# Allegro board TubiiPCB_V6.brd (continued)
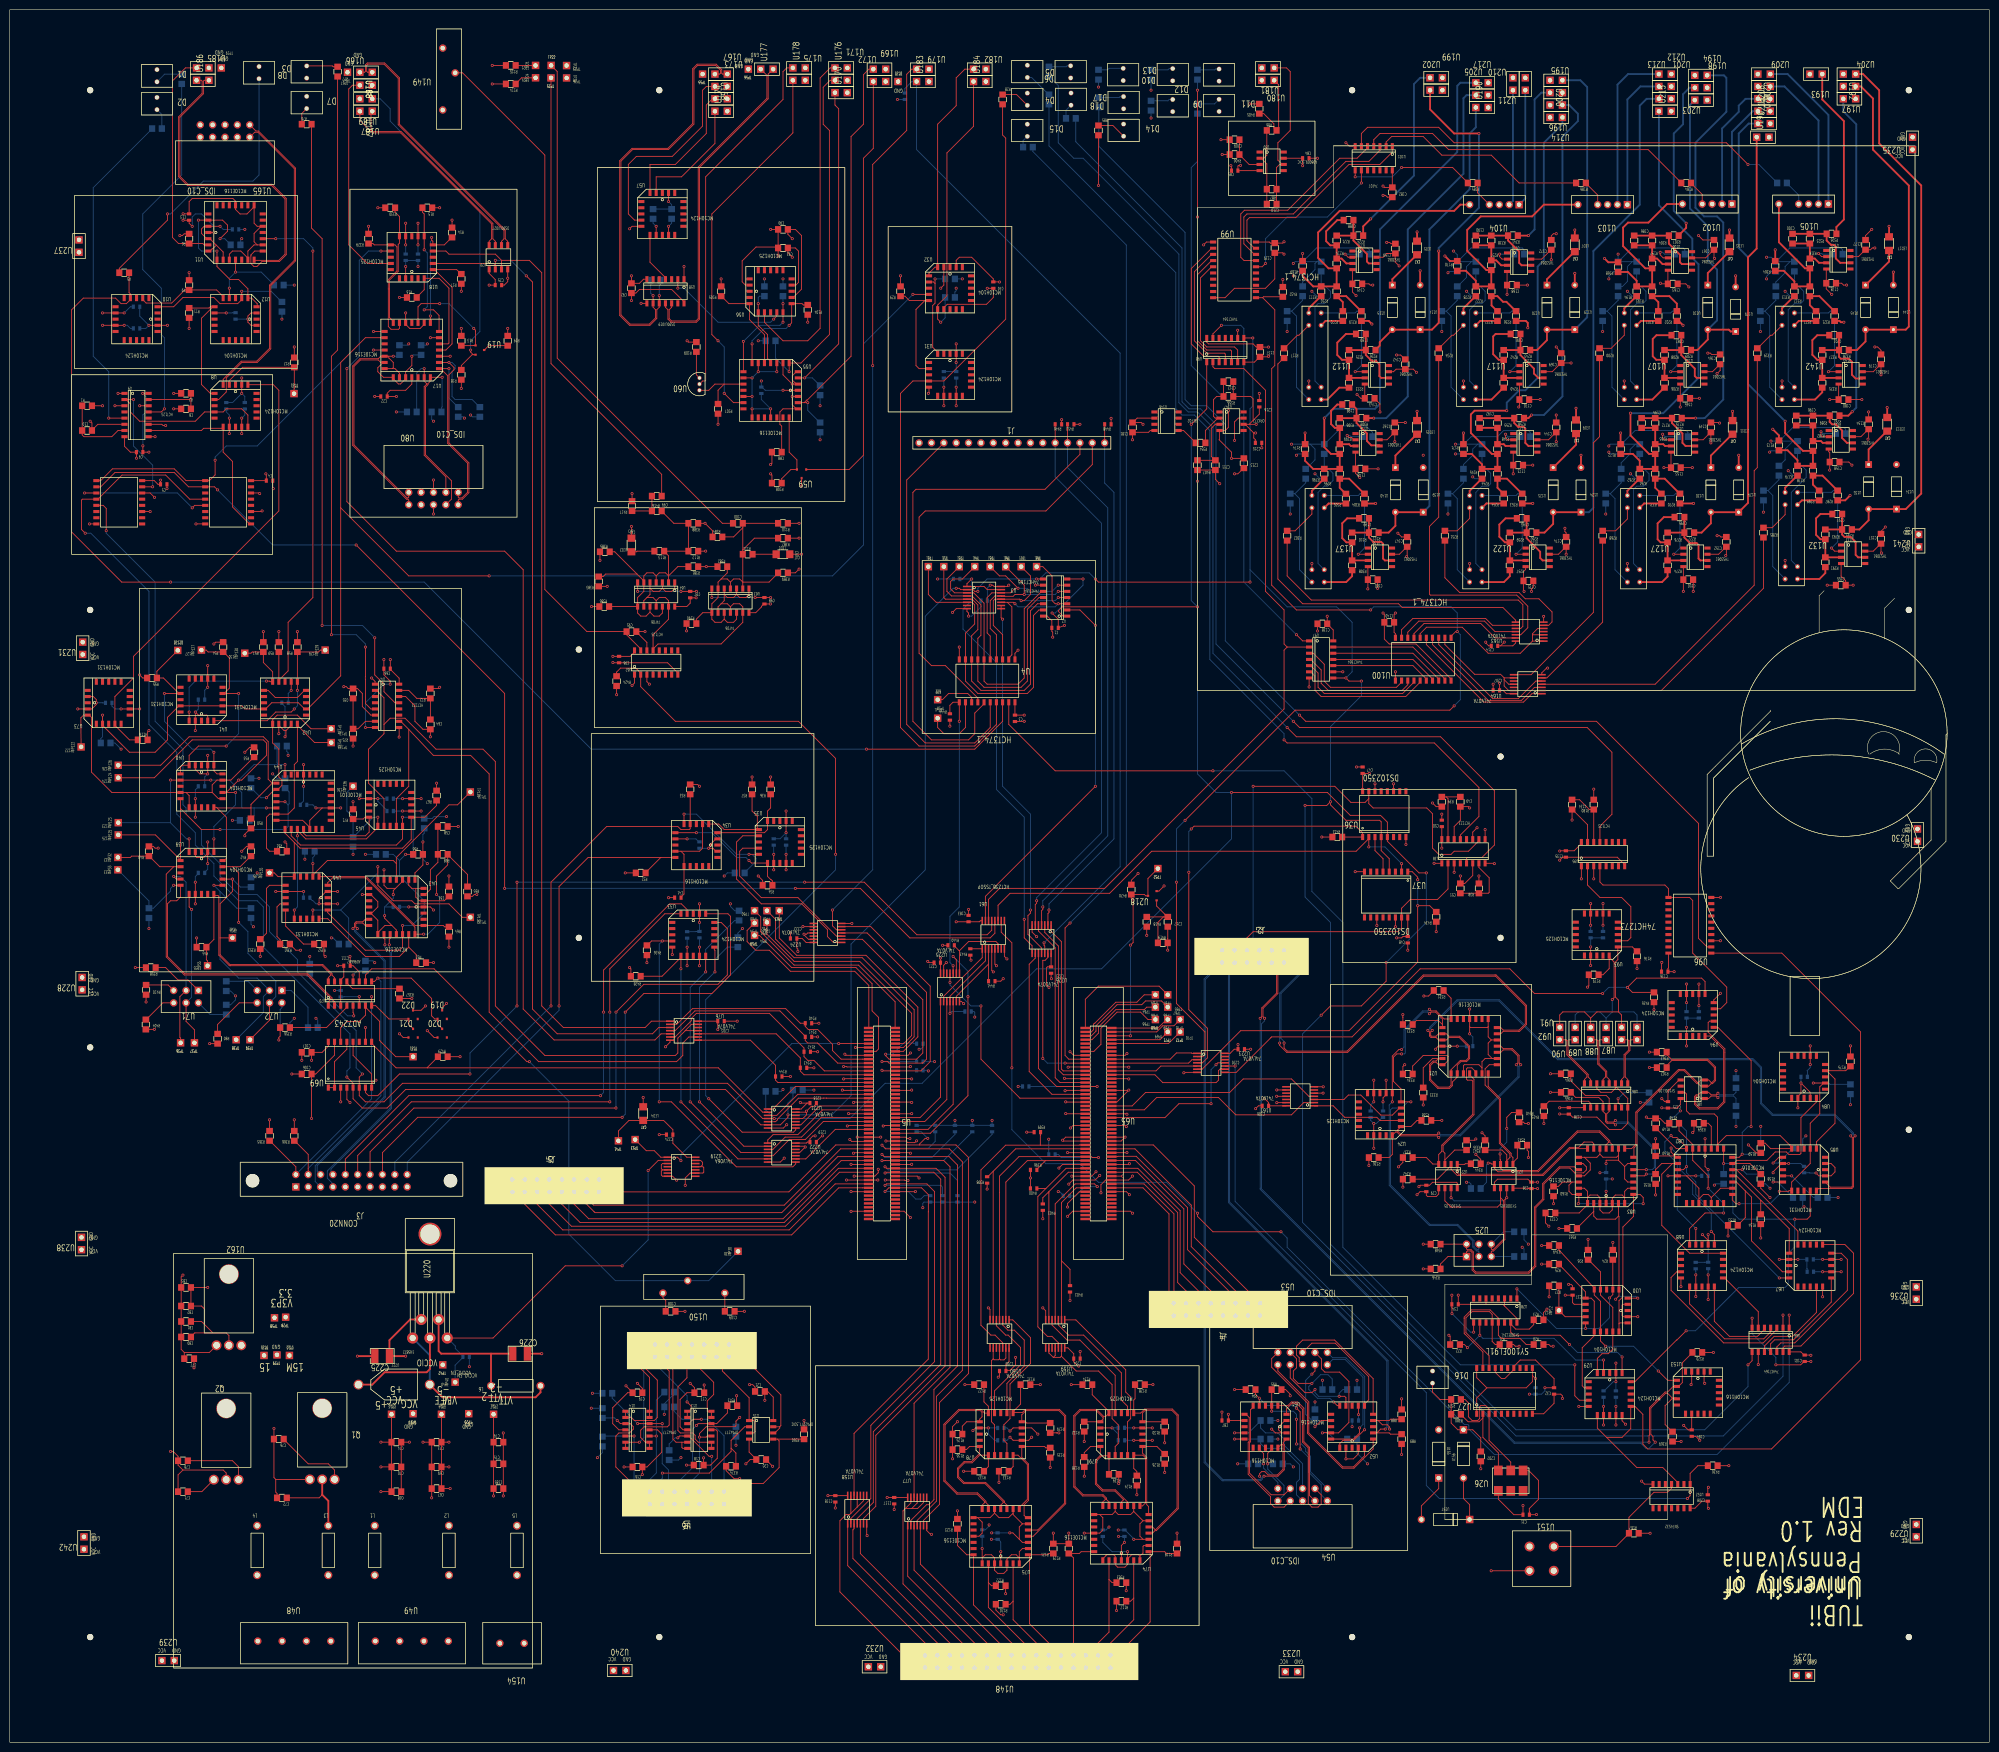
[diagram p0: board, top side]
## Routing (per net, layer and track width the routed paths; a pad name or vN(x,y) marks a point on that pad's centre or on a via; arc(x,y) is an arc through that point) (continued)
184.52,138.29 ; v1(184.91,138.68) 185.31,139.08 ; v1(184.91,138.68) 185.31,138.29 ; 125.73,56.11 v1(126.12,56.5) ; v1(126.12,56.5) 126.51,56.11 ; v1(126.12,56.5) 125.73,56.9 ; v1(126.12,56.5) 126.51,56.9 ; 162.93,121.78 v1(163.32,122.17) ; v1(163.32,122.17) 163.72,121.78 ; v1(163.32,122.17) 162.93,122.57 ; v1(163.32,122.17) 163.72,122.57 ; v1(368.38,109.9) 368.77,109.51 ; v1(368.38,109.9) 367.98,110.3 ; v1(368.38,109.9) 367.98,109.51 ; v1(368.38,109.9) 368.77,110.3 ; 171.28,344.34 U176.2 ; U176.2 172.63,344.34 ; U176.2 172.63,342.99 ; U176.2 171.28,342.99 ; U109.2 355,298.03 ; U109.2 353.66,298.03 ; U109.2 355,299.38 ; U109.2 353.66,299.38 ; 289.8,264.55 v1(290.19,264.16) ; v1(290.19,264.16) 289.8,263.77 ; v1(290.19,264.16) 290.59,264.55 ; v1(290.19,264.16) 290.59,263.77 ; 382.51,286.78 v1(382.9,286.38) ; v1(382.9,286.38) 383.3,286.78 ; v1(382.9,286.38) 382.51,285.99 ; v1(382.9,286.38) 383.3,285.99 ; v1(268.48,325.12) 268.87,324.73 ; v1(268.48,325.12) 268.08,325.51 ; v1(268.48,325.12) 268.87,325.51 ; v1(268.48,325.12) 268.08,324.73 ; U213.2 341.8,341.72 ; U213.2 340.45,343.07 ; U213.2 341.8,343.07 ; U213.2 340.45,341.72 ; 155.82,262.65 v1(156.21,262.25) ; v1(156.21,262.25) 156.6,262.65 ; v1(156.21,262.25) 155.82,261.86 ; v1(156.21,262.25) 156.6,261.86 ; J3.3 61.95,113.31 ; J3.3 61.95,114.66 ; J3.3 60.6,114.66 ; J3.3 60.6,113.31 ; 119,68.96 v1(119.4,68.56) ; v1(119.4,68.56) 119,68.17 ; v1(119.4,68.56) 119.79,68.17 ; v1(119.4,68.56) 119.79,68.96 ; 85.97,205.98 v1(86.36,206.38) ; v1(86.36,206.38) 85.97,206.77 ; v1(86.36,206.38) 86.75,206.77 ; v1(86.36,206.38) 86.75,205.98 ; 43.68,53.14 Q2.2 ; Q2.2 45.2,54.66 ; Q2.2 43.68,54.66 ; Q2.2 45.2,53.14 ; U238.2 15.41,102.96 ; U238.2 15.41,104.31 ; U238.2 14.06,104.31 ; U238.2 14.06,102.96 ; 40.64,143.79 v1(41.04,143.4) ; v1(41.04,143.4) 41.43,143 ; v1(41.04,143.4) 40.64,143 ; v1(41.04,143.4) 41.43,143.79 ; v1(217.68,141.73) 218.07,141.34 ; v1(217.68,141.73) 217.28,141.34 ; v1(217.68,141.73) 218.07,142.13 ; v1(217.68,141.73) 217.28,142.13 ; v1(74.3,218.44) 74.69,218.05 ; v1(74.3,218.44) 73.9,218.05 ; v1(74.3,218.44) 73.9,218.83 ; v1(74.3,218.44) 74.69,218.83 ; 184.77,128.64 v1(185.17,129.03) ; v1(185.17,129.03) 185.56,128.64 ; v1(185.17,129.03) 185.56,129.43 ; v1(185.17,129.03) 184.77,129.43 ; v1(304.55,217.17) 304.94,216.78 ; v1(304.55,217.17) 304.15,217.56 ; v1(304.55,217.17) 304.94,217.56 ; v1(304.55,217.17) 304.15,216.78 ; 326.07,117.28 v1(326.47,116.89) ; v1(326.47,116.89) 326.86,117.28 ; v1(326.47,116.89) 326.07,116.49 ; v1(326.47,116.89) 326.86,116.49 ; 166.48,124.07 v1(166.88,124.46) ; v1(166.88,124.46) 167.27,124.07 ; v1(166.88,124.46) 167.27,124.85 ; v1(166.88,124.46) 166.48,124.85 ; v1(266.76,216.6) 267.16,216.2 ; v1(266.76,216.6) 266.37,216.99 ; v1(266.76,216.6) 266.37,216.2 ; v1(266.76,216.6) 267.16,216.99 ; U148.8 219.05,14.63 ; U148.8 217.7,14.63 ; U148.8 219.05,15.98 ; U148.8 217.7,15.98 ; 66.92,172.48 v1(67.31,172.09) ; v1(67.31,172.09) 67.7,171.69 ; v1(67.31,172.09) 67.7,172.48 ; v1(67.31,172.09) 66.92,171.69 ; 293.46,339.76 U199.2 ; U199.2 293.46,338.42 ; U199.2 294.81,338.42 ; U199.2 294.81,339.76 ; v1(229.74,133.86) 230.14,133.46 ; v1(229.74,133.86) 230.14,134.25 ; v1(229.74,133.86) 229.35,133.46 ; v1(229.74,133.86) 229.35,134.25 ; v1(213.87,156.72) 214.26,156.32 ; v1(213.87,156.72) 213.47,156.32 ; v1(213.87,156.72) 214.26,157.11 ; v1(213.87,156.72) 213.47,157.11 ; v1(310.67,48.59) 311.07,48.19 ; v1(310.67,48.59) 311.07,48.98 ; v1(310.67,48.59) 310.28,48.19 ; v1(310.67,48.59) 310.28,48.98 ; v1(312.67,254.27) 313.07,254.66 ; v1(312.67,254.27) 312.28,254.66 ; v1(312.67,254.27) 312.28,253.88 ; v1(312.67,254.27) 313.07,253.88 ; v1(229.36,121.03) 229.76,121.42 ; v1(229.36,121.03) 228.97,121.42 ; v1(229.36,121.03) 228.97,120.64 ; v1(229.36,121.03) 229.76,120.64 ; 107.59,116.18 J5.6 ; J5.6 107.59,114.83 ; J5.6 108.94,116.18 ; J5.6 108.94,114.83 ; 248.02,257.92 v1(248.41,258.32) ; v1(248.41,258.32) 248.81,257.92 ; v1(248.41,258.32) 248.02,258.71 ; v1(248.41,258.32) 248.81,258.71 ; U175.2 164,341.8 ; U175.2 162.65,340.45 ; U175.2 164,340.45 ; U175.2 162.65,341.8 ; v1(345.69,254.27) 346.09,254.66 ; v1(345.69,254.27) 346.09,253.88 ; v1(345.69,254.27) 345.3,253.88 ; v1(345.69,254.27) 345.3,254.66 ; v1(179.32,126.49) 179.72,126.89 ; v1(179.32,126.49) 178.93,126.89 ; v1(179.32,126.49) 179.72,126.1 ; v1(179.32,126.49) 178.93,126.1 ; 140.9,50.75 U6.5 ; U6.5 142.25,52.1 ; U6.5 140.9,52.1 ; U6.5 142.25,50.75 ; v1(230.76,41.66) 231.15,42.05 ; v1(230.76,41.66) 231.15,41.26 ; v1(230.76,41.66) 230.37,41.26 ; v1(230.76,41.66) 230.37,42.05 ; 299.33,150.89 v1(299.72,150.5) ; v1(299.72,150.5) 300.11,150.89 ; v1(299.72,150.5) 299.33,150.1 ; v1(299.72,150.5) 300.11,150.1 ; 170.55,134.25 v1(170.94,133.86) ; v1(170.94,133.86) 170.55,133.46 ; v1(170.94,133.86) 171.34,133.46 ; v1(170.94,133.86) 171.34,134.25 ; U6.12 134.63,48.21 ; U6.12 134.63,49.56 ; U6.12 133.28,49.56 ; U6.12 133.28,48.21 ; 151.5,73.8 v1(151.89,73.41) ; v1(151.89,73.41) 152.29,73.8 ; v1(151.89,73.41) 152.29,73.01 ; v1(151.89,73.41) 151.5,73.01 ; v1(143.48,183.49) 143.88,183.1 ; v1(143.48,183.49) 143.88,183.88 ; v1(143.48,183.49) 143.09,183.88 ; v1(143.48,183.49) 143.09,183.1 ; v1(217.17,121.03) 217.56,120.64 ; v1(217.17,121.03) 217.56,121.42 ; v1(217.17,121.03) 216.78,121.42 ; v1(217.17,121.03) 216.78,120.64 ; v1(83.82,302.89) 84.21,303.29 ; v1(83.82,302.89) 84.21,302.5 ; v1(83.82,302.89) 83.43,302.5 ; v1(83.82,302.89) 83.43,303.29 ; v1(204.72,160.78) 205.12,161.18 ; v1(204.72,160.78) 204.33,161.18 ; v1(204.72,160.78) 205.12,160.39 ; v1(204.72,160.78) 204.33,160.39 ; 281.55,317.11 v1(281.94,317.5) ; v1(281.94,317.5) 281.55,317.89 ; v1(281.94,317.5) 282.33,317.11 ; v1(281.94,317.5) 282.33,317.89 ; v1(295.27,301.62) 295.67,302.02 ; v1(295.27,301.62) 295.67,301.23 ; v1(295.27,301.62) 294.88,302.02 ; v1(295.27,301.62) 294.88,301.23 ; U6.6 142.25,48.21 ; U6.6 140.9,49.56 ; U6.6 142.25,49.56 ; U6.6 140.9,48.21 ; J4.2 257.4,86.89 ; J4.2 257.4,88.24 ; J4.2 256.06,88.24 ; J4.2 256.06,86.89 ; 375.75,340.53 U197.2 ; U197.2 375.75,339.18 ; U197.2 377.1,340.53 ; U197.2 377.1,339.18 ; U148.20 203.81,14.63 ; U148.20 202.46,14.63 ; U148.20 202.46,15.98 ; U148.20 203.81,15.98 ; v1(152.4,280.04) 152.79,280.43 ; v1(152.4,280.04) 152.01,279.64 ; v1(152.4,280.04) 152.01,280.43 ; v1(152.4,280.04) 152.79,279.64 ; 35.17,95.49 v1(35.56,95.88) ; v1(35.56,95.88) 35.95,95.49 ; v1(35.56,95.88) 35.17,96.28 ; v1(35.56,95.88) 35.95,96.28 ; v1(142.57,73.33) 142.97,73.72 ; v1(142.57,73.33) 142.97,72.93 ; v1(142.57,73.33) 142.18,73.72 ; v1(142.57,73.33) 142.18,72.93 ; 200.52,64.91 v1(200.91,64.52) ; v1(200.91,64.52) 201.31,64.91 ; v1(200.91,64.52) 201.31,64.12 ; v1(200.91,64.52) 200.52,64.12 ; v1(186.69,115.82) 187.08,116.22 ; v1(186.69,115.82) 187.08,115.43 ; v1(186.69,115.82) 186.3,115.43 ; v1(186.69,115.82) 186.3,116.22 ; 134.23,142.35 v1(134.62,142.75) ; v1(134.62,142.75) 134.23,143.14 ; v1(134.62,142.75) 135.01,143.14 ; v1(134.62,142.75) 135.01,142.35 ; v1(173.23,131.32) 173.62,131.71 ; v1(173.23,131.32) 172.83,131.71 ; v1(173.23,131.32) 173.62,130.92 ; v1(173.23,131.32) 172.83,130.92 ; 62.47,192.16 v1(62.87,191.77) ; v1(62.87,191.77) 63.26,191.38 ; v1(62.87,191.77) 63.26,192.16 ; v1(62.87,191.77) 62.47,191.38 ; v1(75.56,193.68) 75.96,193.28 ; v1(75.56,193.68) 75.96,194.07 ; v1(75.56,193.68) 75.17,194.07 ; v1(75.56,193.68) 75.17,193.28 ; v1(101.33,63.48) 101.72,63.09 ; v1(101.33,63.48) 101.72,63.88 ; v1(101.33,63.48) 100.94,63.09 ; v1(101.33,63.48) 100.94,63.88 ; v1(282.7,307.85) 283.1,308.24 ; v1(282.7,307.85) 282.31,308.24 ; v1(282.7,307.85) 283.1,307.45 ; v1(282.7,307.85) 282.31,307.45 ; v1(210.82,165.35) 211.21,164.96 ; v1(210.82,165.35) 210.43,164.96 ; v1(210.82,165.35) 211.21,165.75 ; v1(210.82,165.35) 210.43,165.75 ; v1(216.66,133.73) 217.06,134.12 ; v1(216.66,133.73) 217.06,133.34 ; v1(216.66,133.73) 216.27,134.12 ; v1(216.66,133.73) 216.27,133.34 ; 144.45,79.78 U16.11 ; U16.11 145.8,78.44 ; U16.11 144.45,78.44 ; U16.11 145.8,79.78 ; TP55.1 142.91,343.07 ; TP55.1 142.91,341.72 ; TP55.1 141.57,343.07 ; TP55.1 141.57,341.72 ; 132.96,124.32 v1(133.35,124.71) ; v1(133.35,124.71) 133.74,124.32 ; v1(133.35,124.71) 133.74,125.11 ; v1(133.35,124.71) 132.96,125.11 ; U235.2 391.33,328.76 ; U235.2 391.33,330.11 ; U235.2 389.98,328.76 ; U235.2 389.98,330.11 ; v1(71.37,79.25) 71.77,78.85 ; v1(71.37,79.25) 71.77,79.64 ; v1(71.37,79.25) 70.98,79.64 ; v1(71.37,79.25) 70.98,78.85 ; 320.92,301.89 v1(321.31,301.5) ; v1(321.31,301.5) 321.7,301.1 ; v1(321.31,301.5) 320.92,301.1 ; v1(321.31,301.5) 321.7,301.89 ; 261.23,305.04 v1(261.62,305.44) ; v1(261.62,305.44) 261.23,305.83 ; v1(261.62,305.44) 262.01,305.04 ; v1(261.62,305.44) 262.01,305.83 ; v1(327.66,252.1) 328.05,251.7 ; v1(327.66,252.1) 327.27,252.49 ; v1(327.66,252.1) 327.27,251.7 ; v1(327.66,252.1) 328.05,252.49 ; 315.56,341.8 U200.2 ; U200.2 315.56,340.45 ; U200.2 316.9,341.8 ; U200.2 316.9,340.45 ; U241.2 392.6,248.58 ; U241.2 392.6,247.23 ; U241.2 391.25,247.23 ; U241.2 391.25,248.58 ; 199.92,14.63 U148.22 ; U148.22 199.92,15.98 ; U148.22 201.27,15.98 ; U148.22 201.27,14.63 ; D7.1 61.46,338.32 ; D7.1 60.46,337.32 ; D7.1 60.46,338.32 ; D7.1 61.46,337.32 ; 179.16,341.54 U169.2 ; U169.2 180.51,341.54 ; U169.2 180.51,340.19 ; U169.2 179.16,340.19 ; 190.74,298.84 v1(191.13,298.45) ; v1(191.13,298.45) 190.74,298.06 ; v1(191.13,298.45) 191.53,298.84 ; v1(191.13,298.45) 191.53,298.06 ; 189.76,14.63 U148.30 ; U148.30 189.76,15.98 ; U148.30 191.11,15.98 ; U148.30 191.11,14.63 ; 254.37,142.63 v1(254.76,142.24) ; v1(254.76,142.24) 254.37,141.85 ; v1(254.76,142.24) 255.16,141.85 ; v1(254.76,142.24) 255.16,142.63 ; 360.77,336.64 U209.2 ; U209.2 362.12,336.64 ; U209.2 360.77,337.99 ; U209.2 362.12,337.99 ; v1(344.25,146.73) 344.64,147.13 ; v1(344.25,146.73) 343.85,147.13 ; v1(344.25,146.73) 344.64,146.34 ; v1(344.25,146.73) 343.85,146.34 ; 40.22,344.34 U185.2 ; U185.2 41.57,344.34 ; U185.2 40.22,342.99 ; U185.2 41.57,342.99 ; 368.64,14.39 U234.2 ; U234.2 369.99,13.04 ; U234.2 369.99,14.39 ; U234.2 368.64,13.04 ; 47.87,310.12 v1(48.26,310.51) ; v1(48.26,310.51) 48.65,310.12 ; v1(48.26,310.51) 47.87,310.91 ; v1(48.26,310.51) 48.65,310.91 ; 298.69,297.42 v1(299.08,297.81) ; v1(299.08,297.81) 299.48,298.21 ; v1(299.08,297.81) 298.69,298.21 ; v1(299.08,297.81) 299.48,297.42 ; 137.4,236.61 v1(137.8,236.22) ; v1(137.8,236.22) 138.19,236.61 ; v1(137.8,236.22) 138.19,235.83 ; v1(137.8,236.22) 137.4,235.83 ; 217.31,342.09 D6.1 ; D6.1 218.3,341.1 ; D6.1 217.31,341.1 ; D6.1 218.3,342.09 ; 178.14,16.17 U232.2 ; U232.2 178.14,14.82 ; U232.2 179.49,14.82 ; U232.2 179.49,16.17 ; 101.84,300.09 v1(102.23,300.48) ; v1(102.23,300.48) 102.63,300.88 ; v1(102.23,300.48) 101.84,300.88 ; v1(102.23,300.48) 102.63,300.09 ; 350.13,247.26 v1(350.52,247.65) ; v1(350.52,247.65) 350.91,247.26 ; v1(350.52,247.65) 350.13,248.04 ; v1(350.52,247.65) 350.91,248.04 ; 340.04,115.86 v1(340.44,116.25) ; v1(340.44,116.25) 340.83,115.86 ; v1(340.44,116.25) 340.04,116.65 ; v1(340.44,116.25) 340.83,116.65 ; 204.91,42.58 v1(205.31,42.98) ; v1(205.31,42.98) 205.7,42.58 ; v1(205.31,42.98) 205.7,43.37 ; v1(205.31,42.98) 204.91,43.37 ; 273.93,327.9 v1(274.32,328.3) ; v1(274.32,328.3) 273.93,328.69 ; v1(274.32,328.3) 274.71,328.69 ; v1(274.32,328.3) 274.71,327.9 ; v1(28.83,252.6) 29.22,252.21 ; v1(28.83,252.6) 28.44,253 ; v1(28.83,252.6) 28.44,252.21 ; v1(28.83,252.6) 29.22,253 ; 29.31,146.71 v1(29.7,146.32) ; v1(29.7,146.32) 29.31,145.93 ; v1(29.7,146.32) 30.1,145.93 ; v1(29.7,146.32) 30.1,146.71 ; v1(153.67,281.31) 154.06,281.7 ; v1(153.67,281.31) 154.06,280.91 ; v1(153.67,281.31) 153.28,280.91 ; v1(153.67,281.31) 153.28,281.7 ; v1(90.42,284.48) 90.82,284.09 ; v1(90.42,284.48) 90.03,284.09 ; v1(90.42,284.48) 90.03,284.87 ; v1(90.42,284.48) 90.82,284.87 ; 248.44,88.24 J4.8 ; J4.8 249.78,88.24 ; J4.8 249.78,86.89 ; J4.8 248.44,86.89 ; 340.45,340.53 U212.2 ; U212.2 340.45,339.18 ; U212.2 341.8,339.18 ; U212.2 341.8,340.53 ; U16.5 138.18,78.44 ; U16.5 136.83,78.44 ; U16.5 138.18,79.78 ; U16.5 136.83,79.78 ; v1(265.43,305.56) 265.82,305.96 ; v1(265.43,305.56) 265.82,305.17 ; v1(265.43,305.56) 265.04,305.17 ; v1(265.43,305.56) 265.04,305.96 ; v1(318.21,181.05) 318.6,181.44 ; v1(318.21,181.05) 317.82,180.66 ; v1(318.21,181.05) 317.82,181.44 ; v1(318.21,181.05) 318.6,180.66 ; 193.92,286.63 v1(194.31,287.02) ; v1(194.31,287.02) 194.7,286.63 ; v1(194.31,287.02) 194.7,287.41 ; v1(194.31,287.02) 193.92,287.41 ; 230.11,266.94 v1(230.5,267.33) ; v1(230.5,267.33) 230.9,267.73 ; v1(230.5,267.33) 230.11,267.73 ; v1(230.5,267.33) 230.9,266.94 ; 357.31,86.65 v1(357.71,87.04) ; v1(357.71,87.04) 357.31,87.44 ; v1(357.71,87.04) 358.1,87.44 ; v1(357.71,87.04) 358.1,86.65 ; 13.55,309.03 U237.2 ; U237.2 13.55,307.68 ; U237.2 14.9,307.68 ; U237.2 14.9,309.03 ; v1(171.45,141.22) 171.84,141.62 ; v1(171.45,141.22) 171.06,140.83 ; v1(171.45,141.22) 171.84,140.83 ; v1(171.45,141.22) 171.06,141.62 ; v1(90.17,177.8) 90.56,178.19 ; v1(90.17,177.8) 89.78,177.41 ; v1(90.17,177.8) 90.56,177.41 ; v1(90.17,177.8) 89.78,178.19 ; D2.1 30.72,338.09 ; D2.1 29.73,337.1 ; D2.1 29.73,338.09 ; D2.1 30.72,337.1 ; 192.3,15.98 U148.28 ; U148.28 193.65,15.98 ; U148.28 193.65,14.63 ; U148.28 192.3,14.63 ; 289.52,262.29 U139.2 ; U139.2 290.87,260.95 ; U139.2 290.87,262.29 ; U139.2 289.52,260.95 ; 360.77,334.1 U208.2 ; U208.2 362.12,335.45 ; U208.2 360.77,335.45 ; U208.2 362.12,334.1 ; 256.65,266.08 v1(257.05,265.68) ; v1(257.05,265.68) 256.65,265.29 ; v1(257.05,265.68) 257.44,265.29 ; v1(257.05,265.68) 257.44,266.08 ; 336.38,43.29 v1(336.77,42.9) ; v1(336.77,42.9) 337.17,42.5 ; v1(336.77,42.9) 336.38,42.5 ; v1(336.77,42.9) 337.17,43.29 ; 68.19,217.06 v1(68.58,216.66) ; v1(68.58,216.66) 68.19,216.27 ; v1(68.58,216.66) 68.97,216.27 ; v1(68.58,216.66) 68.97,217.06 ; v1(216.79,131.44) 217.18,131.84 ; v1(216.79,131.44) 217.18,131.05 ; v1(216.79,131.44) 216.4,131.05 ; v1(216.79,131.44) 216.4,131.84 ; 112.67,114.83 J5.10 ; J5.10 114.02,116.18 ; J5.10 114.02,114.83 ; J5.10 112.67,116.18 ; 152.01,273.29 v1(152.4,273.69) ; v1(152.4,273.69) 152.79,274.08 ; v1(152.4,273.69) 152.01,274.08 ; v1(152.4,273.69) 152.79,273.29 ; 169.1,47.69 v1(169.49,48.08) ; v1(169.49,48.08) 169.1,48.48 ; v1(169.49,48.08) 169.89,47.69 ; v1(169.49,48.08) 169.89,48.48 ; 75.84,114.66 J3.15 ; J3.15 75.84,113.31 ; J3.15 77.19,113.31 ; J3.15 77.19,114.66 ; 150.43,88.84 v1(150.82,88.45) ; v1(150.82,88.45) 151.22,88.05 ; v1(150.82,88.45) 150.43,88.05 ; v1(150.82,88.45) 151.22,88.84 ; 360.92,265.19 v1(361.31,264.8) ; v1(361.31,264.8) 361.71,264.4 ; v1(361.31,264.8) 361.71,265.19 ; v1(361.31,264.8) 360.92,264.4 ; v1(40.64,180.34) 41.03,179.95 ; v1(40.64,180.34) 40.25,180.73 ; v1(40.64,180.34) 41.03,180.73 ; v1(40.64,180.34) 40.25,179.95 ; v1(159.51,126.75) 159.91,126.35 ; v1(159.51,126.75) 159.12,126.35 ; v1(159.51,126.75) 159.91,127.14 ; v1(159.51,126.75) 159.12,127.14 ; 14.19,156.3 U228.2 ; U228.2 15.53,157.65 ; U228.2 14.19,157.65 ; U228.2 15.53,156.3 ; 137.4,58.03 v1(137.8,58.42) ; v1(137.8,58.42) 138.19,58.81 ; v1(137.8,58.42) 138.19,58.03 ; v1(137.8,58.42) 137.4,58.81 ; v1(328.29,264.8) 328.69,264.4 ; v1(328.29,264.8) 328.69,265.19 ; v1(328.29,264.8) 327.9,265.19 ; v1(328.29,264.8) 327.9,264.4 ; 317.11,272.81 v1(317.5,272.42) ; v1(317.5,272.42) 317.89,272.02 ; v1(317.5,272.42) 317.89,272.81 ; v1(317.5,272.42) 317.11,272.02 ; v1(101.33,50.56) 101.72,50.17 ; v1(101.33,50.56) 101.72,50.95 ; v1(101.33,50.56) 100.94,50.95 ; v1(101.33,50.56) 100.94,50.17 ; U173.2 147.99,336.64 ; U173.2 147.99,337.99 ; U173.2 146.65,336.64 ; U173.2 146.65,337.99 ; v1(346.15,116.25) 346.54,116.65 ; v1(346.15,116.25) 345.76,115.86 ; v1(346.15,116.25) 346.54,115.86 ; v1(346.15,116.25) 345.76,116.65 ; v1(127.76,256.29) 128.16,255.89 ; v1(127.76,256.29) 127.37,255.89 ; v1(127.76,256.29) 127.37,256.68 ; v1(127.76,256.29) 128.16,256.68 ; J3.19 82.27,114.66 ; J3.19 80.92,114.66 ; J3.19 80.92,113.31 ; J3.19 82.27,113.31 ; v1(351.03,270.76) 351.42,270.37 ; v1(351.03,270.76) 350.63,270.37 ; v1(351.03,270.76) 350.63,271.16 ; v1(351.03,270.76) 351.42,271.16 ; 53.71,257.7 v1(54.1,257.3) ; v1(54.1,257.3) 53.71,256.91 ; v1(54.1,257.3) 54.5,257.7 ; v1(54.1,257.3) 54.5,256.91 ; 195.44,151.21 v1(195.83,151.6) ; v1(195.83,151.6) 196.23,152 ; v1(195.83,151.6) 196.23,151.21 ; v1(195.83,151.6) 195.44,152 ; v1(55.25,144.15) 55.64,143.75 ; v1(55.25,144.15) 54.85,143.75 ; v1(55.25,144.15) 55.64,144.54 ; v1(55.25,144.15) 54.85,144.54 ; U183.2 189.4,341.54 ; U183.2 189.4,340.19 ; U183.2 188.05,340.19 ; U183.2 188.05,341.54 ; 84.44,61.2 v1(84.84,61.59) ; v1(84.84,61.59) 85.23,61.99 ; v1(84.84,61.59) 85.23,61.2 ; v1(84.84,61.59) 84.44,61.99 ; 324.17,159.04 v1(324.56,159.43) ; v1(324.56,159.43) 324.17,159.83 ; v1(324.56,159.43) 324.95,159.83 ; v1(324.56,159.43) 324.95,159.04 ; 334.63,53.2 v1(335.03,53.59) ; v1(335.03,53.59) 334.63,53.99 ; v1(335.03,53.59) 335.42,53.99 ; v1(335.03,53.59) 335.42,53.2 ; 208.42,337.99 D4.1 ; D4.1 209.41,337.99 ; D4.1 208.42,338.98 ; D4.1 209.41,338.98 ; 258.69,63.87 v1(259.08,64.26) ; v1(259.08,64.26) 258.69,64.66 ; v1(259.08,64.26) 259.47,64.66 ; v1(259.08,64.26) 259.47,63.87 ; v1(47.62,280.04) 48.02,279.64 ; v1(47.62,280.04) 47.23,279.64 ; v1(47.62,280.04) 48.02,280.43 ; v1(47.62,280.04) 47.23,280.43 ; v1(156.21,273.69) 156.6,274.08 ; v1(156.21,273.69) 156.6,273.29 ; v1(156.21,273.69) 155.82,274.08 ; v1(156.21,273.69) 155.82,273.29 ; v1(370.84,116.84) 371.23,117.23 ; v1(370.84,116.84) 371.23,116.45 ; v1(370.84,116.84) 370.45,116.45 ; v1(370.84,116.84) 370.45,117.23 ; 315.58,106.31 v1(315.98,105.92) ; v1(315.98,105.92) 315.58,105.52 ; v1(315.98,105.92) 316.37,106.31 ; v1(315.98,105.92) 316.37,105.52 ; 162.65,344.34 U178.2 ; U178.2 162.65,342.99 ; U178.2 164,342.99 ; U178.2 164,344.34 ; 196.46,231.53 v1(196.85,231.14) ; v1(196.85,231.14) 197.24,231.53 ; v1(196.85,231.14) 196.46,230.75 ; v1(196.85,231.14) 197.24,230.75 ; 312.03,235.83 v1(312.42,236.22) ; v1(312.42,236.22) 312.81,236.61 ; v1(312.42,236.22) 312.81,235.83 ; v1(312.42,236.22) 312.03,236.61 ; J3.9 69.57,113.31 ; J3.9 68.22,114.66 ; J3.9 69.57,114.66 ; J3.9 68.22,113.31 ; 158.99,191.53 v1(159.38,191.13) ; v1(159.38,191.13) 158.99,190.74 ; v1(159.38,191.13) 159.78,190.74 ; v1(159.38,191.13) 159.78,191.53 ; 381.88,310.12 v1(382.27,310.51) ; v1(382.27,310.51) 381.88,310.91 ; v1(382.27,310.51) 382.66,310.91 ; v1(382.27,310.51) 382.66,310.12 ; 253.33,159.35 J2.5 ; J2.5 253.33,160.69 ; J2.5 254.67,159.35 ; J2.5 254.67,160.69 ; v1(127.76,216.92) 128.16,216.52 ; v1(127.76,216.92) 128.16,217.31 ; v1(127.76,216.92) 127.37,216.52 ; v1(127.76,216.92) 127.37,217.31 ; v1(364.49,297.81) 364.88,298.21 ; v1(364.49,297.81) 364.1,298.21 ; v1(364.49,297.81) 364.1,297.42 ; v1(364.49,297.81) 364.88,297.42 ; v1(185.17,131.32) 185.56,130.92 ; v1(185.17,131.32) 184.77,131.71 ; v1(185.17,131.32) 185.56,131.71 ; v1(185.17,131.32) 184.77,130.92 ; v1(280.42,254.25) 280.81,253.86 ; v1(280.42,254.25) 280.81,254.65 ; v1(280.42,254.25) 280.02,254.65 ; v1(280.42,254.25) 280.02,253.86 ; 133.28,52.1 U6.11 ; U6.11 134.63,52.1 ; U6.11 133.28,50.75 ; U6.11 134.63,50.75 ; 197.35,64.37 v1(197.74,63.97) ; v1(197.74,63.97) 198.13,63.58 ; v1(197.74,63.97) 198.13,64.37 ; v1(197.74,63.97) 197.35,63.58 ; 364.73,260.59 v1(365.12,260.99) ; v1(365.12,260.99) 364.73,261.38 ; v1(365.12,260.99) 365.52,260.59 ; v1(365.12,260.99) 365.52,261.38 ; 312.28,261.73 v1(312.67,262.13) ; v1(312.67,262.13) 312.28,262.52 ; v1(312.67,262.13) 313.07,261.73 ; v1(312.67,262.13) 313.07,262.52 ; 265.54,269.13 v1(265.94,268.73) ; v1(265.94,268.73) 265.54,268.34 ; v1(265.94,268.73) 266.33,268.34 ; v1(265.94,268.73) 266.33,269.13 ; U171.2 172.63,341.8 ; U171.2 171.28,340.45 ; U171.2 171.28,341.8 ; U171.2 172.63,340.45 ; 286.12,271.27 v1(286.51,270.88) ; v1(286.51,270.88) 286.91,270.48 ; v1(286.51,270.88) 286.91,271.27 ; v1(286.51,270.88) 286.12,270.48 ; v1(269.63,133.23) 270.02,133.63 ; v1(269.63,133.23) 270.02,132.84 ; v1(269.63,133.23) 269.24,133.63 ; v1(269.63,133.23) 269.24,132.84 ; 74.28,289.17 v1(74.68,289.56) ; v1(74.68,289.56) 75.07,289.17 ; v1(74.68,289.56) 75.07,289.95 ; v1(74.68,289.56) 74.28,289.95 ; v1(217.3,138.56) 217.69,138.95 ; v1(217.3,138.56) 217.69,138.16 ; v1(217.3,138.56) 216.9,138.16 ; 54.85,207.4 v1(55.25,207.01) ; v1(55.25,207.01) 55.64,207.4 ; v1(55.25,207.01) 54.85,206.62 ; v1(55.25,207.01) 55.64,206.62 ; D8.1 61.46,342.06 ; D8.1 61.46,341.07 ; D8.1 60.46,341.07 ; D8.1 60.46,342.06 ; 37.83,250.46 v1(38.23,250.06) ; v1(38.23,250.06) 38.62,250.46 ; v1(38.23,250.06) 37.83,249.67 ; v1(38.23,250.06) 38.62,249.67 ; v1(299.72,191.77) 300.11,191.38 ; v1(299.72,191.77) 299.33,192.16 ; v1(299.72,191.77) 300.11,192.16 ; v1(299.72,191.77) 299.33,191.38 ; 347.81,338.92 U194.2 ; U194.2 347.81,340.27 ; U194.2 349.16,338.92 ; U194.2 349.16,340.27 ; v1(367.11,99.11) 367.5,99.5 ; v1(367.11,99.11) 366.71,99.5 ; v1(367.11,99.11) 367.5,98.71 ; v1(367.11,99.11) 366.71,98.71 ; 318.1,339.26 U195.2 ; U195.2 319.44,337.91 ; U195.2 319.44,339.26 ; U195.2 318.1,337.91 ; v1(280.92,261.37) 281.32,261.76 ; v1(280.92,261.37) 281.32,260.97 ; v1(280.92,261.37) 280.53,260.97 ; v1(280.92,261.37) 280.53,261.76 ; v1(75.18,135.89) 75.58,135.5 ; v1(75.18,135.89) 74.79,136.28 ; v1(75.18,135.89) 75.58,136.28 ; v1(75.18,135.89) 74.79,135.5 ; v1(87,252.1) 87.39,251.7 ; v1(87,252.1) 86.6,251.7 ; v1(87,252.1) 87.39,252.49 ; v1(87,252.1) 86.6,252.49 ; 350.84,173.8 v1(351.23,173.4) ; v1(351.23,173.4) 350.84,173.01 ; v1(351.23,173.4) 351.62,173.8 ; v1(351.23,173.4) 351.62,173.01 ; 172.33,109.36 v1(172.72,108.97) ; v1(172.72,108.97) 172.33,108.57 ; v1(172.72,108.97) 173.11,108.57 ; v1(172.72,108.97) 173.11,109.36 ; v1(74.68,285.75) 75.07,286.14 ; v1(74.68,285.75) 74.28,286.14 ; v1(74.68,285.75) 75.07,285.36 ; v1(74.68,285.75) 74.28,285.36 ; 15.99,249.67 v1(16.38,250.06) ; v1(16.38,250.06) 16.78,249.67 ; v1(16.38,250.06) 16.78,250.46 ; v1(16.38,250.06) 15.99,250.46 ; D14.1 229.17,332.63 ; D14.1 228.18,331.64 ; D14.1 228.18,332.63 ; D14.1 229.17,331.64 ; 113.65,343.47 TP23.1 ; TP23.1 113.65,344.82 ; TP23.1 115,344.82 ; TP23.1 115,343.47 ; 181.7,340.19 TP18.1 ; TP18.1 183.05,341.54 ; TP18.1 183.05,340.19 ; TP18.1 181.7,341.54 ; 262.5,252.49 v1(262.89,252.1) ; v1(262.89,252.1) 263.28,251.7 ; v1(262.89,252.1) 262.5,251.7 ; v1(262.89,252.1) 263.28,252.49 ; 185.53,112.64 v1(185.93,113.03) ; v1(185.93,113.03) 186.32,112.64 ; v1(185.93,113.03) 185.53,113.42 ; v1(185.93,113.03) 186.32,113.42 ; U193.2 370.24,343.07 ; U193.2 368.9,343.07 ; U193.2 370.24,341.72 ; U193.2 368.9,341.72 ; 225.29,43.77 v1(225.68,44.17) ; v1(225.68,44.17) 226.07,44.56 ; v1(225.68,44.17) 225.29,44.56 ; v1(225.68,44.17) 226.07,43.77 ; v1(74.93,276.23) 75.32,276.62 ; v1(74.93,276.23) 75.32,275.83 ; v1(74.93,276.23) 74.54,276.62 ; v1(74.93,276.23) 74.54,275.83 ; v1(325.2,177.21) 325.59,177.61 ; v1(325.2,177.21) 324.8,176.82 ; v1(325.2,177.21) 324.8,177.61 ; v1(325.2,177.21) 325.59,176.82 ; U229.2 392.09,45.38 ; U229.2 390.74,45.38 ; U229.2 390.74,44.03 ; U229.2 392.09,44.03 ; U49.2 80.73,21.44 ; U49.2 79.39,20.09 ; U49.2 79.39,21.44 ; U49.2 80.73,20.09 ; 125.82,15.41 U240.2 ; U240.2 125.82,14.06 ; U240.2 127.17,14.06 ; U240.2 127.17,15.41 ; 40.25,199.15 v1(40.64,198.75) ; v1(40.64,198.75) 41.03,198.36 ; v1(40.64,198.75) 41.03,199.15 ; v1(40.64,198.75) 40.25,198.36 ; v1(377.82,255.91) 378.22,256.3 ; v1(377.82,255.91) 378.22,255.51 ; v1(377.82,255.91) 377.43,255.51 ; v1(377.82,255.91) 377.43,256.3 ; v1(172.21,129.03) 172.61,129.43 ; v1(172.21,129.03) 172.61,128.64 ; v1(172.21,129.03) 171.82,129.43 ; v1(172.21,129.03) 171.82,128.64 ; 228.18,334.78 D18.1 ; D18.1 229.17,335.77 ; D18.1 228.18,335.77 ; D18.1 229.17,334.78 ; v1(260.12,133.88) 260.52,134.28 ; v1(260.12,133.88) 259.73,133.49 ; v1(260.12,133.88) 260.52,133.49 ; v1(260.12,133.88) 259.73,134.28 ; v1(378.21,262.13) 378.6,261.73 ; v1(378.21,262.13) 377.81,262.52 ; v1(378.21,262.13) 378.6,262.52 ; v1(378.21,262.13) 377.81,261.73 ; 184.77,136.54 v1(185.17,136.14) ; v1(185.17,136.14) 184.77,135.75 ; v1(185.17,136.14) 185.56,136.54 ; v1(185.17,136.14) 185.56,135.75 ; 25.39,159.4 v1(25.78,159) ; v1(25.78,159) 26.17,158.61 ; v1(25.78,159) 25.39,158.61 ; v1(25.78,159) 26.17,159.4 ; U149.1 89.57,335.7 ; U149.1 88.23,334.35 ; U149.1 88.23,335.7 ; U149.1 89.57,334.35 ; v1(163.07,165.86) 163.46,165.47 ; v1(163.07,165.86) 162.67,166.26 ; v1(163.07,165.86) 163.46,166.26 ; v1(163.07,165.86) 162.67,165.47 ; 222.78,15.98 U148.4 ; U148.4 224.13,15.98 ; U148.4 222.78,14.63 ; U148.4 224.13,14.63 ; 93.56,68.11 TP20.1 ; TP20.1 94.91,68.11 ; TP20.1 93.56,66.76 ; TP20.1 94.91,66.76 ; v1(229.36,141.35) 229.76,141.74 ; v1(229.36,141.35) 228.97,140.96 ; v1(229.36,141.35) 229.76,140.96 ; v1(229.36,141.35) 228.97,141.74 ; 71.21,337.99 U189.2 ; U189.2 72.56,336.64 ; U189.2 71.21,336.64 ; U189.2 72.56,337.99 ; v1(194.31,283.21) 194.7,282.82 ; v1(194.31,283.21) 193.92,282.82 ; v1(194.31,283.21) 193.92,283.6 ; v1(194.31,283.21) 194.7,283.6 ; v1(280.03,127) 280.43,127.39 ; v1(280.03,127) 280.43,126.61 ; v1(280.03,127) 279.64,127.39 ; v1(280.03,127) 279.64,126.61 ; 120.26,58.03 v1(120.65,58.42) ; v1(120.65,58.42) 121.04,58.81 ; v1(120.65,58.42) 120.26,58.81 ; v1(120.65,58.42) 121.04,58.03 ; 338.77,159.67 v1(339.17,160.07) ; v1(339.17,160.07) 339.56,159.67 ; v1(339.17,160.07) 339.56,160.46 ; v1(339.17,160.07) 338.77,160.46 ; v1(347.51,104.19) 347.91,103.79 ; v1(347.51,104.19) 347.12,103.79 ; v1(347.51,104.19) 347.12,104.58 ; v1(347.51,104.19) 347.91,104.58 ; 68.67,342.1 TP57.1 ; TP57.1 70.02,342.1 ; TP57.1 68.67,343.45 ; TP57.1 70.02,343.45 ; 304.41,180.73 v1(304.8,180.34) ; v1(304.8,180.34) 305.19,179.95 ; v1(304.8,180.34) 305.19,180.73 ; v1(304.8,180.34) 304.41,179.95 ; 211.7,88.76 v1(212.09,89.15) ; v1(212.09,89.15) 212.48,88.76 ; v1(212.09,89.15) 211.7,89.55 ; v1(212.09,89.15) 212.48,89.55 ; 286.63,162.95 v1(287.02,162.56) ; v1(287.02,162.56) 286.63,162.17 ; v1(287.02,162.56) 287.41,162.17 ; v1(287.02,162.56) 287.41,162.95 ; 141.21,172.48 v1(141.6,172.09) ; v1(141.6,172.09) 141.21,171.69 ; v1(141.6,172.09) 142,172.48 ; v1(141.6,172.09) 142,171.69 ; 76.57,169.28 v1(76.96,169.67) ; v1(76.96,169.67) 77.35,169.28 ; v1(76.96,169.67) 76.57,170.06 ; v1(76.96,169.67) 77.35,170.06 ; v1(315.72,220.47) 316.12,220.08 ; v1(315.72,220.47) 315.33,220.87 ; v1(315.72,220.47) 316.12,220.87 ; v1(315.72,220.47) 315.33,220.08 ; U190.2 304.2,334.86 ; U190.2 304.2,336.21 ; U190.2 302.86,334.86 ; U190.2 302.86,336.21 ; v1(345.63,236.22) 346.02,235.83 ; v1(345.63,236.22) 345.24,235.83 ; v1(345.63,236.22) 346.02,236.61 ; v1(345.63,236.22) 345.24,236.61 ; v1(313.66,113.64) 314.06,113.25 ; v1(313.66,113.64) 313.27,114.03 ; v1(313.66,113.64) 314.06,114.03 ; v1(313.66,113.64) 313.27,113.25 ; v1(51.82,252.73) 52.21,253.12 ; v1(51.82,252.73) 51.42,253.12 ; v1(51.82,252.73) 52.21,252.34 ; v1(51.82,252.73) 51.42,252.34 ; v1(227.58,43.56) 227.98,43.17 ; v1(227.58,43.56) 227.19,43.17 ; v1(227.58,43.56) 227.98,43.95 ; v1(227.58,43.56) 227.19,43.95 ; 296.42,264.82 v1(296.81,264.43) ; v1(296.81,264.43) 297.21,264.04 ; v1(296.81,264.43) 297.21,264.82 ; v1(296.81,264.43) 296.42,264.04 ; J2.7 257.21,159.35 ; J2.7 257.21,160.69 ; J2.7 255.87,159.35 ; J2.7 255.87,160.69 ; v1(332.74,260.35) 333.13,259.96 ; v1(332.74,260.35) 333.13,260.74 ; v1(332.74,260.35) 332.35,260.74 ; v1(332.74,260.35) 332.35,259.96 ; v1(228.48,116.2) 228.87,116.59 ; v1(228.48,116.2) 228.87,115.81 ; v1(228.48,116.2) 228.08,116.59 ; v1(228.48,116.2) 228.08,115.81 ; v1(315.17,72.77) 315.56,73.16 ; v1(315.17,72.77) 315.56,72.37 ; v1(315.17,72.77) 314.77,73.16 ; v1(315.17,72.77) 314.77,72.37 ; 194.84,14.63 U148.26 ; U148.26 196.19,14.63 ; U148.26 196.19,15.98 ; U148.26 194.84,15.98 ; v1(363.3,99.11) 363.69,99.5 ; v1(363.3,99.11) 363.69,98.71 ; v1(363.3,99.11) 362.9,99.5 ; v1(363.3,99.11) 362.9,98.71 ; 188.05,344.08 U179.2 ; U179.2 188.05,342.73 ; U179.2 189.4,344.08 ; U179.2 189.4,342.73 ; 216.14,229.63 v1(216.53,229.24) ; v1(216.53,229.24) 216.14,228.84 ; v1(216.53,229.24) 216.93,229.63 ; v1(216.53,229.24) 216.93,228.84 ; 85.29,83.95 U220.3 ; U220.3 87.26,81.98 ; U220.3 87.26,83.95 ; U220.3 85.29,81.98 ; 384.67,249.82 v1(385.06,249.43) ; v1(385.06,249.43) 385.46,249.03 ; v1(385.06,249.43) 384.67,249.03 ; v1(385.06,249.43) 385.46,249.82 ; v1(86.61,50.16) 87.01,50.56 ; v1(86.61,50.16) 86.22,49.77 ; v1(86.61,50.16) 87.01,49.77 ; v1(86.61,50.16) 86.22,50.56 ; v1(54.24,64.4) 54.64,64.8 ; v1(54.24,64.4) 53.85,64.8 ; v1(54.24,64.4) 54.64,64.01 ; v1(54.24,64.4) 53.85,64.01 ; U182.2 201.08,344.08 ; U182.2 199.73,342.73 ; U182.2 201.08,342.73 ; U182.2 199.73,344.08 ; U148.14 211.43,14.63 ; U148.14 210.08,14.63 ; U148.14 210.08,15.98 ; U148.14 211.43,15.98 ; 345.12,124.75 v1(345.52,125.14) ; v1(345.52,125.14) 345.91,125.54 ; v1(345.52,125.14) 345.12,125.54 ; v1(345.52,125.14) 345.91,124.75 ; 347.59,74.05 v1(347.98,73.66) ; v1(347.98,73.66) 348.37,74.05 ; v1(347.98,73.66) 348.37,73.27 ; v1(347.98,73.66) 347.59,73.27